# KiCad board rabbit_mask_capacitors.kicad_pcb (continued)
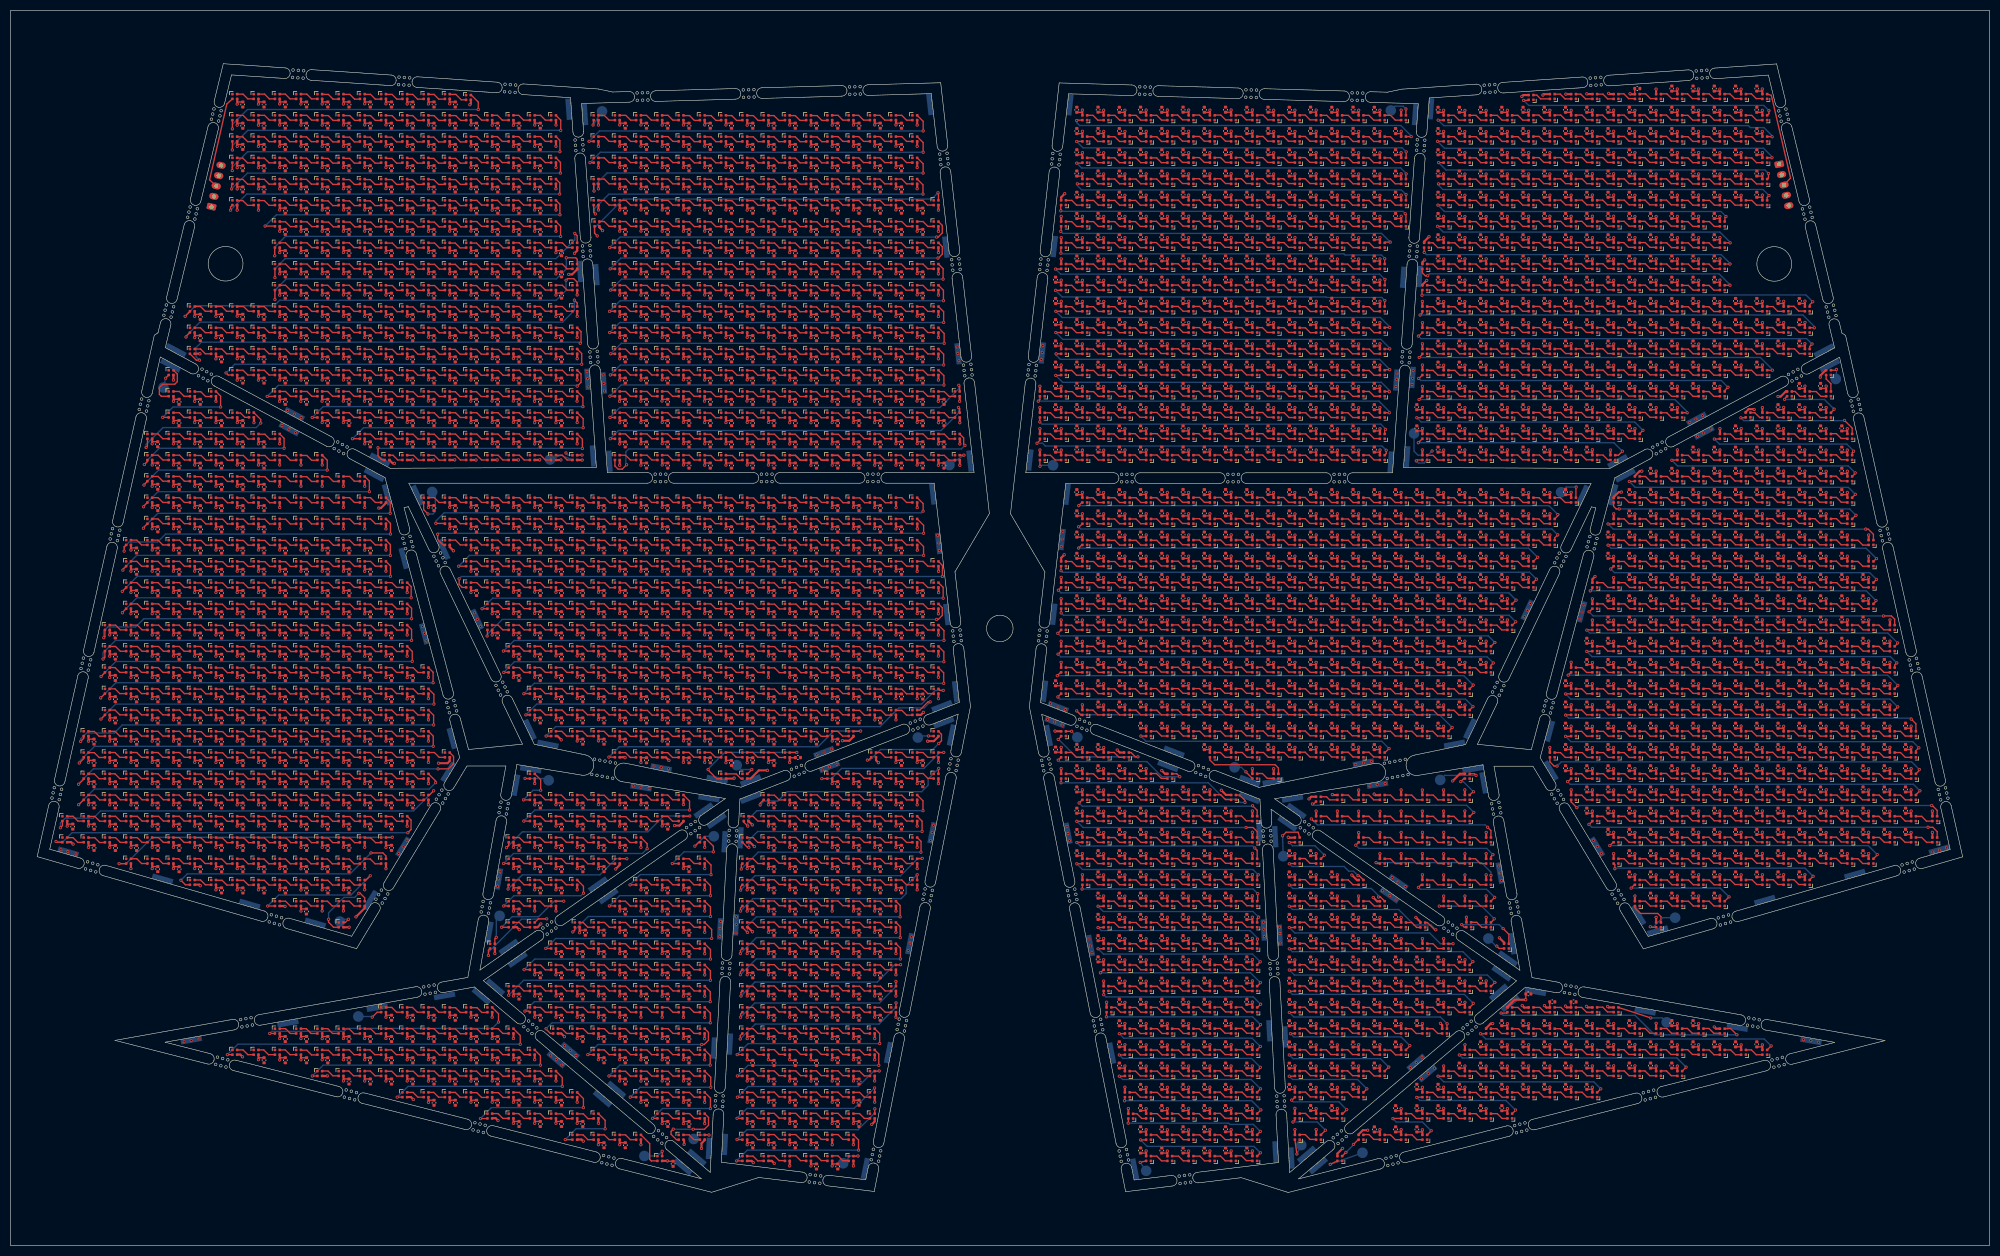
[diagram p0: board, top side]
## Nets (continued)
GND: C1485.2 C1485#2.2 C1485#3.2 C1485#4.2 C1485#5.2 C1485#6.2 C1485#7.2 C1485#8.2 C1485#9.2 C1485#10.2 C1485#11.2 C1485#12.2 C1485#13.2 C1485#14.2 C1485#15.2 C1485#16.2 C1485#17.2 C1485#18.2 C1485#19.2 C1485#20.2 C1485#21.2 C1485#22.2 C1485#23.2 C1485#24.2 C1485#25.2 C1485#26.2 C1485#27.2 C1485#28.2 C1485#29.2 C1485#30.2 C1485#31.2 C1485#32.2 C1485#33.2 C1485#34.2 C1485#35.2 C1485#36.2 C1485#37.2 C1485#38.2 C1485#39.2 C1485#40.2 C1485#41.2 C1485#42.2 C1485#43.2 C1485#44.2 C1485#45.2 C1485#46.2 C1485#47.2 C1485#48.2 C1485#49.2 C1485#50.2 C1485#51.2 C1485#52.2 C1485#53.2 C1485#54.2 C1485#55.2 C1485#56.2 C1485#57.2 C1485#58.2 C1485#59.2 C1485#60.2 C1485#61.2 C1485#62.2 C1485#63.2 C1485#64.2 C1485#65.2 C1485#66.2 C1485#67.2 C1485#68.2 C1485#69.2 C1485#70.2 C1485#71.2 C1485#72.2 C1485#73.2 C1485#74.2 C1485#75.2 C1485#76.2 C1485#77.2 C1485#78.2 C1485#79.2 C1485#80.2 C1485#81.2 C1485#82.2 C1485#83.2 C1485#84.2 C1485#85.2 C1485#86.2 C1485#87.2 C1485#88.2 C1485#89.2 C1485#90.2 C1485#91.2 C1485#92.2 C1485#93.2 C1485#94.2 C1485#95.2 C1485#96.2 C1485#97.2 C1485#98.2 C1485#99.2 C1485#100.2 C1485#101.2 C1485#102.2 C1485#103.2 C1485#104.2 C1485#105.2 C1485#106.2 C1485#107.2 C1485#108.2 C1485#109.2 C1485#110.2 C1485#111.2 C1485#112.2 C1485#113.2 C1485#114.2 C1485#115.2 C1485#116.2 C1485#117.2 C1485#118.2 C1485#119.2 C1485#120.2 C1485#121.2 C1485#122.2 C1485#123.2 C1485#124.2 C1485#125.2 C1485#126.2 C1485#127.2 C1485#128.2 C1485#129.2 C1485#130.2 C1485#131.2 C1485#132.2 C1485#133.2 C1485#134.2 C1485#135.2 C1485#136.2 C1485#137.2 C1485#138.2 C1485#139.2 C1485#140.2 C1485#141.2 C1485#142.2 C1485#143.2 C1485#144.2 C1485#145.2 C1485#146.2 C1485#147.2 C1485#148.2 C1485#149.2 C1485#150.2 C1485#151.2 C1485#152.2 C1485#153.2 C1485#154.2 C1485#155.2 C1485#156.2 C1485#157.2 C1485#158.2 C1485#159.2 C1485#160.2 C1485#161.2 C1485#162.2 C1485#163.2 C1485#164.2 C1485#165.2 C1485#166.2 C1485#167.2 C1485#168.2 C1485#169.2 C1485#170.2 C1485#171.2 C1485#172.2 C1485#173.2 C1485#174.2 C1485#175.2 C1485#176.2 C1485#177.2 C1485#178.2 C1485#179.2 C1485#180.2 C1485#181.2 C1485#182.2 C1485#183.2 C1485#184.2 C1485#185.2 C1485#186.2 C1485#187.2 C1485#188.2 C1485#189.2 C1485#190.2 C1485#191.2 C1485#192.2 C1485#193.2 C1485#194.2 C1485#195.2 C1485#196.2 C1485#197.2 C1485#198.2 C1485#199.2 C1485#200.2 C1485#201.2 C1485#202.2 C1485#203.2 C1485#204.2 C1485#205.2 C1485#206.2 C1485#207.2 C1485#208.2 C1485#209.2 C1485#210.2 C1485#211.2 C1485#212.2 C1485#213.2 C1485#214.2 C1485#215.2 C1485#216.2 C1485#217.2 C1485#218.2 C1485#219.2 C1485#220.2 C1485#221.2 C1485#222.2 C1485#223.2 C1485#224.2 C1485#225.2 C1485#226.2 C1485#227.2 C1485#228.2 C1485#229.2 C1485#230.2 C1485#231.2 C1485#232.2 C1485#233.2 C1485#234.2 C1485#235.2 C1485#236.2 C1485#237.2 C1485#238.2 C1485#239.2 C1485#240.2 C1485#241.2 C1485#242.2 C1485#243.2 C1485#244.2 C1485#245.2 C1485#246.2 C1485#247.2 C1485#248.2 C1485#249.2 C1485#250.2 C1485#251.2 C1485#252.2 C1485#253.2 C1485#254.2 C1485#255.2 C1485#256.2 C1485#257.2 C1485#258.2 C1485#259.2 C1485#260.2 C1485#261.2 C1485#262.2 C1485#263.2 C1485#264.2 C1485#265.2 C1485#266.2 C1485#267.2 C1485#268.2 C1485#269.2 C1485#270.2 C1485#271.2 C1485#272.2 C1485#273.2 C1485#274.2 C1485#275.2 C1485#276.2 C1485#277.2 C1485#278.2 C1485#279.2 C1485#280.2 C1485#281.2 C1485#282.2 C1485#283.2 C1485#284.2 C1485#285.2 C1485#286.2 C1485#287.2 C1485#288.2 C1485#289.2 C1485#290.2 C1485#291.2 C1485#292.2 C1485#293.2 C1485#294.2 C1485#295.2 C1485#296.2 C1485#297.2 C1485#298.2 C1485#299.2 C1485#300.2 C1485#301.2 C1485#302.2 C1485#303.2 C1485#304.2 C1485#305.2 C1485#306.2 C1485#307.2 C1485#308.2 C1485#309.2 C1485#310.2 C1485#311.2 C1485#312.2 C1485#313.2 C1485#314.2 C1485#315.2 C1485#316.2 C1485#317.2 C1485#318.2 C1485#319.2 C1485#320.2 C1485#321.2 C1485#322.2 C1485#323.2 C1485#324.2 C1485#325.2 C1485#326.2 C1485#327.2 C1485#328.2 C1485#329.2 C1485#330.2 C1485#331.2 C1485#332.2 C1485#333.2 C1485#334.2 C1485#335.2 C1485#336.2 C1485#337.2 C1485#338.2 C1485#339.2 C1485#340.2 C1485#341.2 C1485#342.2 C1485#343.2 C1485#344.2 C1485#345.2 C1485#346.2 C1485#347.2 C1485#348.2 C1485#349.2 C1485#350.2 C1485#351.2 C1485#352.2 C1485#353.2 C1485#354.2 C1485#355.2 C1485#356.2 C1485#357.2 C1485#358.2 C1485#359.2 C1485#360.2 C1485#361.2 C1485#362.2 C1485#363.2 C1485#364.2 C1485#365.2 C1485#366.2 C1485#367.2 C1485#368.2 C1485#369.2 C1485#370.2 C1485#371.2 C1485#372.2 C1485#373.2 C1485#374.2 C1485#375.2 C1485#376.2 C1485#377.2 C1485#378.2 C1485#379.2 C1485#380.2 C1485#381.2 C1485#382.2 C1485#383.2 C1485#384.2 C1485#385.2 C1485#386.2 C1485#387.2 C1485#388.2 C1485#389.2 C1485#390.2 C1485#391.2 C1485#392.2 C1485#393.2 C1485#394.2 C1485#395.2 C1485#396.2 C1485#397.2 C1485#398.2 C1485#399.2 C1485#400.2 C1485#401.2 C1485#402.2 C1485#403.2 C1485#404.2 C1485#405.2 C1485#406.2 C1485#407.2 C1485#408.2 C1485#409.2 C1485#410.2 C1485#411.2 C1485#412.2 C1485#413.2 C1485#414.2 C1485#415.2 C1485#416.2 C1485#417.2 C1485#418.2 C1485#419.2 C1485#420.2 C1485#421.2 C1485#422.2 C1485#423.2 C1485#424.2 C1485#425.2 C1485#426.2 C1485#427.2 C1485#428.2 C1485#429.2 C1485#430.2 C1485#431.2 C1485#432.2 C1485#433.2 C1485#434.2 C1485#435.2 C1485#436.2 C1485#437.2 C1485#438.2 C1485#439.2 C1485#440.2 C1485#441.2 C1485#442.2 C1485#443.2 C1485#444.2 C1485#445.2 C1485#446.2 C1485#447.2 C1485#448.2 C1485#449.2 C1485#450.2 C1485#451.2 C1485#452.2 C1485#453.2 C1485#454.2 C1485#455.2 C1485#456.2 C1485#457.2 C1485#458.2 C1485#459.2 C1485#460.2 C1485#461.2 C1485#462.2 C1485#463.2 C1485#464.2 C1485#465.2 C1485#466.2 C1485#467.2 C1485#468.2 C1485#469.2 C1485#470.2 C1485#471.2 C1485#472.2 C1485#473.2 C1485#474.2 C1485#475.2 C1485#476.2 C1485#477.2 C1485#478.2 C1485#479.2 C1485#480.2 C1485#481.2 C1485#482.2 C1485#483.2 C1485#484.2 C1485#485.2 C1485#486.2 C1485#487.2 C1485#488.2 C1485#489.2 C1485#490.2 C1485#491.2 C1485#492.2 C1485#493.2 C1485#494.2 C1485#495.2 C1485#496.2 C1485#497.2 C1485#498.2 C1485#499.2 C1485#500.2 C1485#501.2 C1485#502.2 C1485#503.2 C1485#504.2 C1485#505.2 C1485#506.2 C1485#507.2 C1485#508.2 C1485#509.2 C1485#510.2 C1485#511.2 C1485#512.2 C1485#513.2 C1485#514.2 C1485#515.2 C1485#516.2 C1485#517.2 C1485#518.2 C1485#519.2 C1485#520.2 C1485#521.2 C1485#522.2 C1485#523.2 C1485#524.2 C1485#525.2 C1485#526.2 C1485#527.2 C1485#528.2 C1485#529.2 C1485#530.2 C1485#531.2 C1485#532.2 C1485#533.2 C1485#534.2 C1485#535.2 C1485#536.2 C1485#537.2 C1485#538.2 C1485#539.2 C1485#540.2 C1485#541.2 C1485#542.2 C1485#543.2 C1485#544.2 C1485#545.2 C1485#546.2 C1485#547.2 C1485#548.2 C1485#549.2 C1485#550.2 C1485#551.2 C1485#552.2 C1485#553.2 C1485#554.2 C1485#555.2 C1485#556.2 C1485#557.2 C1485#558.2 C1485#559.2 C1485#560.2 C1485#561.2 C1485#562.2 C1485#563.2 C1485#564.2 C1485#565.2 C1485#566.2 C1485#567.2 C1485#568.2 C1485#569.2 C1485#570.2 C1485#571.2 C1485#572.2 C1485#573.2 C1485#574.2 C1485#575.2 C1485#576.2 C1485#577.2 C1485#578.2 C1485#579.2 C1485#580.2 C1485#581.2 C1485#582.2 C1485#583.2 C1485#584.2 C1485#585.2 C1485#586.2 C1485#587.2 C1485#588.2 C1485#589.2 C1485#590.2 C1485#591.2 C1485#592.2 C1485#593.2 C1485#594.2 C1485#595.2 C1485#596.2 C1485#597.2 C1485#598.2 C1485#599.2 C1485#600.2 C1485#601.2 C1485#602.2 C1485#603.2 C1485#604.2 C1485#605.2 C1485#606.2 C1485#607.2 C1485#608.2 C1485#609.2 C1485#610.2 C1485#611.2 C1485#612.2 C1485#613.2 C1485#614.2 C1485#615.2 C1485#616.2 C1485#617.2 C1485#618.2 C1485#619.2 C1485#620.2 C1485#621.2 C1485#622.2 C1485#623.2 C1485#624.2 C1485#625.2 C1485#626.2 C1485#627.2 C1485#628.2 C1485#629.2 C1485#630.2 C1485#631.2 C1485#632.2 C1485#633.2 C1485#634.2 C1485#635.2 C1485#636.2 C1485#637.2 C1485#638.2 C1485#639.2 C1485#640.2 C1485#641.2 C1485#642.2 C1485#643.2 C1485#644.2 C1485#645.2 C1485#646.2 C1485#647.2 C1485#648.2 C1485#649.2 C1485#650.2 C1485#651.2 C1485#652.2 C1485#653.2 C1485#654.2 C1485#655.2 C1485#656.2 C1485#657.2 C1485#658.2 C1485#659.2 C1485#660.2 C1485#661.2 C1485#662.2 C1485#663.2 C1485#664.2 C1485#665.2 C1485#666.2 C1485#667.2 C1485#668.2 C1485#669.2 C1485#670.2 C1485#671.2 C1485#672.2 C1485#673.2 C1485#674.2 C1485#675.2 C1485#676.2 C1485#677.2 C1485#678.2 C1485#679.2 C1485#680.2 C1485#681.2 C1485#682.2 C1485#683.2 C1485#684.2 C1485#685.2 C1485#686.2 C1485#687.2 C1485#688.2 C1485#689.2 C1485#690.2 C1485#691.2 C1485#692.2 C1485#693.2 C1485#694.2 C1485#695.2 C1485#696.2 C1485#697.2 C1485#698.2 C1485#699.2 C1485#700.2 C1485#701.2 C1485#702.2 C1485#703.2 C1485#704.2 C1485#705.2 C1485#706.2 C1485#707.2 C1485#708.2 C1485#709.2 C1485#710.2 C1485#711.2 C1485#712.2 C1485#713.2 C1485#714.2 C1485#715.2 C1485#716.2 C1485#717.2 C1485#718.2 C1485#719.2 C1485#720.2 C1485#721.2 C1485#722.2 C1485#723.2 C1485#724.2 C1485#725.2 C1485#726.2 C1485#727.2 C1485#728.2 C1485#729.2 C1485#730.2 C1485#731.2 C1485#732.2 C1485#733.2 C1485#734.2 C1485#735.2 C1485#736.2 C1485#737.2 C1485#738.2 C1485#739.2 C1485#740.2 C1485#741.2 C1485#742.2 C1485#743.2 C1485#744.2 C1485#745.2 C1485#746.2 C1485#747.2 C1485#748.2 C1485#749.2 C1485#750.2 C1485#751.2 C1485#752.2 C1485#753.2 C1485#754.2 C1485#755.2 C1485#756.2 C1485#757.2 C1485#758.2 C1485#759.2 C1485#760.2 C1485#761.2 C1485#762.2 C1485#763.2 C1485#764.2 C1485#765.2 C1485#766.2 C1485#767.2 C1485#768.2 C1485#769.2 C1485#770.2 C1485#771.2 C1485#772.2 C1485#773.2 C1485#774.2 C1485#775.2 C1485#776.2 C1485#777.2 C1485#778.2 C1485#779.2 C1485#780.2 C1485#781.2 C1485#782.2 C1485#783.2 C1485#784.2 C1485#785.2 C1485#786.2 C1485#787.2 C1485#788.2 C1485#789.2 C1485#790.2 C1485#791.2 C1485#792.2 C1485#793.2 C1485#794.2 C1485#795.2 C1485#796.2 C1485#797.2 C1485#798.2 C1485#799.2 C1485#800.2 C1485#801.2 C1485#802.2 C1485#803.2 C1485#804.2 C1485#805.2 C1485#806.2 C1485#807.2 C1485#808.2 C1485#809.2 C1485#810.2 C1485#811.2 C1485#812.2 C1485#813.2 C1485#814.2 C1485#815.2 C1485#816.2 C1485#817.2 C1485#818.2 C1485#819.2 C1485#820.2 C1485#821.2 C1485#822.2 C1485#823.2 C1485#824.2 C1485#825.2 C1485#826.2 C1485#827.2 C1485#828.2 C1485#829.2 C1485#830.2 C1485#831.2 C1485#832.2 C1485#833.2 C1485#834.2 C1485#835.2 C1485#836.2 C1485#837.2 C1485#838.2 C1485#839.2 C1485#840.2 C1485#841.2 C1485#842.2 C1485#843.2 C1485#844.2 C1485#845.2 C1485#846.2 C1485#847.2 C1485#848.2 C1485#849.2 C1485#850.2 C1485#851.2 C1485#852.2 C1485#853.2 C1485#854.2 C1485#855.2 C1485#856.2 C1485#857.2 C1485#858.2 C1485#859.2 C1485#860.2 C1485#861.2 C1485#862.2 C1485#863.2 C1485#864.2 C1485#865.2 C1485#866.2 C1485#867.2 C1485#868.2 C1485#869.2 C1485#870.2 C1485#871.2 C1485#872.2 C1485#873.2 C1485#874.2 C1485#875.2 C1485#876.2 C1485#877.2 C1485#878.2 C1485#879.2 C1485#880.2 C1485#881.2 C1485#882.2 C1485#883.2 C1485#884.2 C1485#885.2 C1485#886.2 C1485#887.2 C1485#888.2 C1485#889.2 C1485#890.2 C1485#891.2 C1485#892.2 C1485#893.2 C1485#894.2 C1485#895.2 C1485#896.2 C1485#897.2 C1485#898.2 C1485#899.2 C1485#900.2 C1485#901.2 C1485#902.2 C1485#903.2 C1485#904.2 C1485#905.2 C1485#906.2 C1485#907.2 C1485#908.2 C1485#909.2 C1485#910.2 C1485#911.2 C1485#912.2 C1485#913.2 C1485#914.2 C1485#915.2 C1485#916.2 C1485#917.2 C1485#918.2 C1485#919.2 C1485#920.2 C1485#921.2 C1485#922.2 C1485#923.2 C1485#924.2 C1485#925.2 C1485#926.2 C1485#927.2 C1485#928.2 C1485#929.2 C1485#930.2 C1485#931.2 C1485#932.2 C1485#933.2 C1485#934.2 C1485#935.2 C1485#936.2 C1485#937.2 C1485#938.2 C1485#939.2 C1485#940.2 C1485#941.2 C1485#942.2 C1485#943.2 C1485#944.2 C1485#945.2 C1485#946.2 C1485#947.2 C1485#948.2 C1485#949.2 C1485#950.2 C1485#951.2 C1485#952.2 C1485#953.2 C1485#954.2 C1485#955.2 C1485#956.2 C1485#957.2 C1485#958.2 C1485#959.2 C1485#960.2 C1485#961.2 C1485#962.2 C1485#963.2 C1485#964.2 C1485#965.2 C1485#966.2 C1485#967.2 C1485#968.2 C1485#969.2 C1485#970.2 C1485#971.2 C1485#972.2 C1485#973.2 C1485#974.2 C1485#975.2 C1485#976.2 C1485#977.2 C1485#978.2 C1485#979.2 C1485#980.2 C1485#981.2 C1485#982.2 C1485#983.2 C1485#984.2 C1485#985.2 C1485#986.2 C1485#987.2 C1485#988.2 C1485#989.2 C1485#990.2 C1485#991.2 C1485#992.2 C1485#993.2 C1485#994.2 C1485#995.2 C1485#996.2 C1485#997.2 C1485#998.2 C1485#999.2 C1485#1000.2 C1485#1001.2 C1485#1002.2 C1485#1003.2 C1485#1004.2 C1485#1005.2 C1485#1006.2 C1485#1007.2 C1485#1008.2 C1485#1009.2 C1485#1010.2 C1485#1011.2 C1485#1012.2 C1485#1013.2 C1485#1014.2 C1485#1015.2 C1485#1016.2 C1485#1017.2 C1485#1018.2 C1485#1019.2 C1485#1020.2 C1485#1021.2 C1485#1022.2 C1485#1023.2 C1485#1024.2 C1485#1025.2 C1485#1026.2 C1485#1027.2 C1485#1028.2 C1485#1029.2 C1485#1030.2 C1485#1031.2 C1485#1032.2 C1485#1033.2 C1485#1034.2 C1485#1035.2 C1485#1036.2 C1485#1037.2 C1485#1038.2 C1485#1039.2 C1485#1040.2 C1485#1041.2 C1485#1042.2 C1485#1043.2 C1485#1044.2 C1485#1045.2 C1485#1046.2 C1485#1047.2 C1485#1048.2 C1485#1049.2 C1485#1050.2 C1485#1051.2 C1485#1052.2 C1485#1053.2 C1485#1054.2 C1485#1055.2 C1485#1056.2 C1485#1057.2 C1485#1058.2 C1485#1059.2 C1485#1060.2 C1485#1061.2 C1485#1062.2 C1485#1063.2 C1485#1064.2 C1485#1065.2 C1485#1066.2 C1485#1067.2 C1485#1068.2 C1485#1069.2 C1485#1070.2 C1485#1071.2 C1485#1072.2 C1485#1073.2 C1485#1074.2 C1485#1075.2 C1485#1076.2 C1485#1077.2 C1485#1078.2 C1485#1079.2 C1485#1080.2 C1485#1081.2 C1485#1082.2 C1485#1083.2 C1485#1084.2 C1485#1085.2 C1485#1086.2 C1485#1087.2 C1485#1088.2 C1485#1089.2 C1485#1090.2 C1485#1091.2 C1485#1092.2 C1485#1093.2 C1485#1094.2 C1485#1095.2 C1485#1096.2 C1485#1097.2 C1485#1098.2 C1485#1099.2 C1485#1100.2 C1485#1101.2 C1485#1102.2 C1485#1103.2 C1485#1104.2 C1485#1105.2 C1485#1106.2 C1485#1107.2 C1485#1108.2 C1485#1109.2 C1485#1110.2 C1485#1111.2 C1485#1112.2 C1485#1113.2 C1485#1114.2 C1485#1115.2 C1485#1116.2 C1485#1117.2 C1485#1118.2 C1485#1119.2 C1485#1120.2 C1485#1121.2 C1485#1122.2 C1485#1123.2 C1485#1124.2 C1485#1125.2 C1485#1126.2 C1485#1127.2 C1485#1128.2 C1485#1129.2 C1485#1130.2 C1485#1131.2 C1485#1132.2 C1485#1133.2 C1485#1134.2 C1485#1135.2 C1485#1136.2 C1485#1137.2 C1485#1138.2 C1485#1139.2 C1485#1140.2 C1485#1141.2 C1485#1142.2 C1485#1143.2 C1485#1144.2 C1485#1145.2 C1485#1146.2 C1485#1147.2 C1485#1148.2 C1485#1149.2 C1485#1150.2 C1485#1151.2 C1485#1152.2 C1485#1153.2 C1485#1154.2 C1485#1155.2 C1485#1156.2 C1485#1157.2 C1485#1158.2 C1485#1159.2 C1485#1160.2 C1485#1161.2 C1485#1162.2 C1485#1163.2 C1485#1164.2 C1485#1165.2 C1485#1166.2 C1485#1167.2 C1485#1168.2 C1485#1169.2 C1485#1170.2 C1485#1171.2 C1485#1172.2 C1485#1173.2 C1485#1174.2 C1485#1175.2 C1485#1176.2 C1485#1177.2 C1485#1178.2 C1485#1179.2 C1485#1180.2 C1485#1181.2 C1485#1182.2 C1485#1183.2 C1485#1184.2 C1485#1185.2 C1485#1186.2 C1485#1187.2 C1485#1188.2 C1485#1189.2 C1485#1190.2 C1485#1191.2 C1485#1192.2 C1485#1193.2 C1485#1194.2 C1485#1195.2 C1485#1196.2 C1485#1197.2 C1485#1198.2 C1485#1199.2 C1485#1200.2 C1485#1201.2 C1485#1202.2 C1485#1203.2 C1485#1204.2 C1485#1205.2 C1485#1206.2 C1485#1207.2 C1485#1208.2 C1485#1209.2 C1485#1210.2 C1485#1211.2 C1485#1212.2 C1485#1213.2 C1485#1214.2 C1485#1215.2 C1485#1216.2 C1485#1217.2 C1485#1218.2 C1485#1219.2 C1485#1220.2 C1485#1221.2 C1485#1222.2 C1485#1223.2 C1485#1224.2 C1485#1225.2 C1485#1226.2 C1485#1227.2 C1485#1228.2 C1485#1229.2 C1485#1230.2 C1485#1231.2 C1485#1232.2 C1485#1233.2 C1485#1234.2 C1485#1235.2 C1485#1236.2 C1485#1237.2 C1485#1238.2 C1485#1239.2 C1485#1240.2 C1485#1241.2 C1485#1242.2 C1485#1243.2 C1485#1244.2 C1485#1245.2 C1485#1246.2 C1485#1247.2 C1485#1248.2 C1485#1249.2 C1485#1250.2 C1485#1251.2 C1485#1252.2 C1485#1253.2 C1485#1254.2 C1485#1255.2 C1485#1256.2 C1485#1257.2 C1485#1258.2 C1485#1259.2 C1485#1260.2 C1485#1261.2 C1485#1262.2 C1485#1263.2 C1485#1264.2 C1485#1265.2 C1485#1266.2 C1485#1267.2 C1485#1268.2 C1485#1269.2 C1485#1270.2 C1485#1271.2 C1485#1272.2 C1485#1273.2 C1485#1274.2 C1485#1275.2 C1485#1276.2 C1485#1277.2 C1485#1278.2 C1485#1279.2 C1485#1280.2 C1485#1281.2 C1485#1282.2 C1485#1283.2 C1485#1284.2 C1485#1285.2 C1485#1286.2 C1485#1287.2 C1485#1288.2 C1485#1289.2 C1485#1290.2 C1485#1291.2 C1485#1292.2 C1485#1293.2 C1485#1294.2 C1485#1295.2 C1485#1296.2 C1485#1297.2 C1485#1298.2 C1485#1299.2 C1485#1300.2 C1485#1301.2 C1485#1302.2 C1485#1303.2 C1485#1304.2 C1485#1305.2 C1485#1306.2 C1485#1307.2 C1485#1308.2 C1485#1309.2 C1485#1310.2 C1485#1311.2 C1485#1312.2 C1485#1313.2 C1485#1314.2 C1485#1315.2 C1485#1316.2 C1485#1317.2 C1485#1318.2 C1485#1319.2 C1485#1320.2 C1485#1321.2 C1485#1322.2 C1485#1323.2 C1485#1324.2 C1485#1325.2 C1485#1326.2 C1485#1327.2 C1485#1328.2 C1485#1329.2 C1485#1330.2 C1485#1331.2 C1485#1332.2 C1485#1333.2 C1485#1334.2 C1485#1335.2 C1485#1336.2 C1485#1337.2 C1485#1338.2 C1485#1339.2 C1485#1340.2 C1485#1341.2 C1485#1342.2 C1485#1343.2 C1485#1344.2 C1485#1345.2 C1485#1346.2 C1485#1347.2 C1485#1348.2 C1485#1349.2 C1485#1350.2 C1485#1351.2 C1485#1352.2 C1485#1353.2 C1485#1354.2 C1485#1355.2 C1485#1356.2 C1485#1357.2 C1485#1358.2 C1485#1359.2 C1485#1360.2 C1485#1361.2 C1485#1362.2 C1485#1363.2 C1485#1364.2 C1485#1365.2 C1485#1366.2 C1485#1367.2 C1485#1368.2 C1485#1369.2 C1485#1370.2 C1485#1371.2 C1485#1372.2 C1485#1373.2 C1485#1374.2 C1485#1375.2 C1485#1376.2 C1485#1377.2 C1485#1378.2 C1485#1379.2 C1485#1380.2 C1485#1381.2 C1485#1382.2 C1485#1383.2 C1485#1384.2 C1485#1385.2 C1485#1386.2 C1485#1387.2 C1485#1388.2 C1485#1389.2 C1485#1390.2 C1485#1391.2 C1485#1392.2 C1485#1393.2 C1485#1394.2 C1485#1395.2 C1485#1396.2 C1485#1397.2 C1485#1398.2 C1485#1399.2 C1485#1400.2 C1485#1401.2 C1485#1402.2 C1485#1403.2 C1485#1404.2 C1485#1405.2 C1485#1406.2 C1485#1407.2 C1485#1408.2 C1485#1409.2 C1485#1410.2 C1485#1411.2 C1485#1412.2 C1485#1413.2 C1485#1414.2 C1485#1415.2 C1485#1416.2 C1485#1417.2 C1485#1418.2 C1485#1419.2 C1485#1420.2 C1485#1421.2 C1485#1422.2 C1485#1423.2 C1485#1424.2 C1485#1425.2 C1485#1426.2 C1485#1427.2 C1485#1428.2 C1485#1429.2 C1485#1430.2 C1485#1431.2 C1485#1432.2 C1485#1433.2 C1485#1434.2 C1485#1435.2 C1485#1436.2 C1485#1437.2 C1485#1438.2 C1485#1439.2 C1485#1440.2 C1485#1441.2 C1485#1442.2 C1485#1443.2 C1485#1444.2 C1485#1445.2 C1485#1446.2 C1485#1447.2 C1485#1448.2 C1485#1449.2 C1485#1450.2 C1485#1451.2 C1485#1452.2 C1485#1453.2 C1485#1454.2 C1485#1455.2 C1485#1456.2 C1485#1457.2 C1485#1458.2 C1485#1459.2 C1485#1460.2 C1485#1461.2 C1485#1462.2 C1485#1463.2 C1485#1464.2 C1485#1465.2 C1485#1466.2 C1485#1467.2 C1485#1468.2 C1485#1469.2 C1485#1470.2 C1485#1471.2 C1485#1472.2 C1485#1473.2 C1485#1474.2 C1485#1475.2 C1485#1476.2 C1485#1477.2 C1485#1478.2 C1485#1479.2 C1485#1480.2 C1485#1481.2 C1485#1482.2 C1485#1483.2 C1485#1484.2 C1485#1485.2 C1485#1486.2 C1485#1487.2 C1485#1488.2 C1485#1489.2 C1485#1490.2 C1485#1491.2 C1485#1492.2 C1485#1493.2 C1485#1494.2 C1485#1495.2 C1485#1496.2 C1485#1497.2 C1485#1498.2 C1485#1499.2 C1485#1500.2 C1485#1501.2 C1485#1502.2 C1485#1503.2 C1485#1504.2 C1485#1505.2 C1485#1506.2 C1485#1507.2 C1485#1508.2 C1485#1509.2 C1485#1510.2 C1485#1511.2 C1485#1512.2 C1485#1513.2 C1485#1514.2 C1485#1515.2 C1485#1516.2 C1485#1517.2 C1485#1518.2 C1485#1519.2 C1485#1520.2 C1485#1521.2 C1485#1522.2 C1485#1523.2 C1485#1524.2 C1485#1525.2 C1485#1526.2 C1485#1527.2 C1485#1528.2 C1485#1529.2 C1485#1530.2 C1485#1531.2 C1485#1532.2 C1485#1533.2 C1485#1534.2 C1485#1535.2 C1485#1536.2 C1485#1537.2 C1485#1538.2 C1485#1539.2 C1485#1540.2 C1485#1541.2 C1485#1542.2 C1485#1543.2 C1485#1544.2 C1485#1545.2 C1485#1546.2 C1485#1547.2 C1485#1548.2 C1485#1549.2 C1485#1550.2 C1485#1551.2 C1485#1552.2 C1485#1553.2 C1485#1554.2 C1485#1555.2 C1485#1556.2 C1485#1557.2 C1485#1558.2 C1485#1559.2 C1485#1560.2 C1485#1561.2 C1485#1562.2 C1485#1563.2 C1485#1564.2 C1485#1565.2 C1485#1566.2 C1485#1567.2 C1485#1568.2 C1485#1569.2 C1485#1570.2 C1485#1571.2 C1485#1572.2 C1485#1573.2 C1485#1574.2 C1485#1575.2 C1485#1576.2 C1485#1577.2 C1485#1578.2 C1485#1579.2 C1485#1580.2 C1485#1581.2 C1485#1582.2 C1485#1583.2 C1485#1584.2 C1485#1585.2 C1485#1586.2 C1485#1587.2 C1485#1588.2 C1485#1589.2 C1485#1590.2 C1485#1591.2 C1485#1592.2 C1485#1593.2 C1485#1594.2 C1485#1595.2 C1485#1596.2 C1485#1597.2 C1485#1598.2 C1485#1599.2 C1485#1600.2 C1485#1601.2 C1485#1602.2 C1485#1603.2 C1485#1604.2 C1485#1605.2 C1485#1606.2 C1485#1607.2 C1485#1608.2 C1485#1609.2 C1485#1610.2 C1485#1611.2 C1485#1612.2 C1485#1613.2 C1485#1614.2 C1485#1615.2 C1485#1616.2 C1485#1617.2 C1485#1618.2 C1485#1619.2 C1485#1620.2 C1485#1621.2 C1485#1622.2 C1485#1623.2 C1485#1624.2 